# Altium PCB Power Distribution Board.PcbDoc (part 1 of 2) (continued)
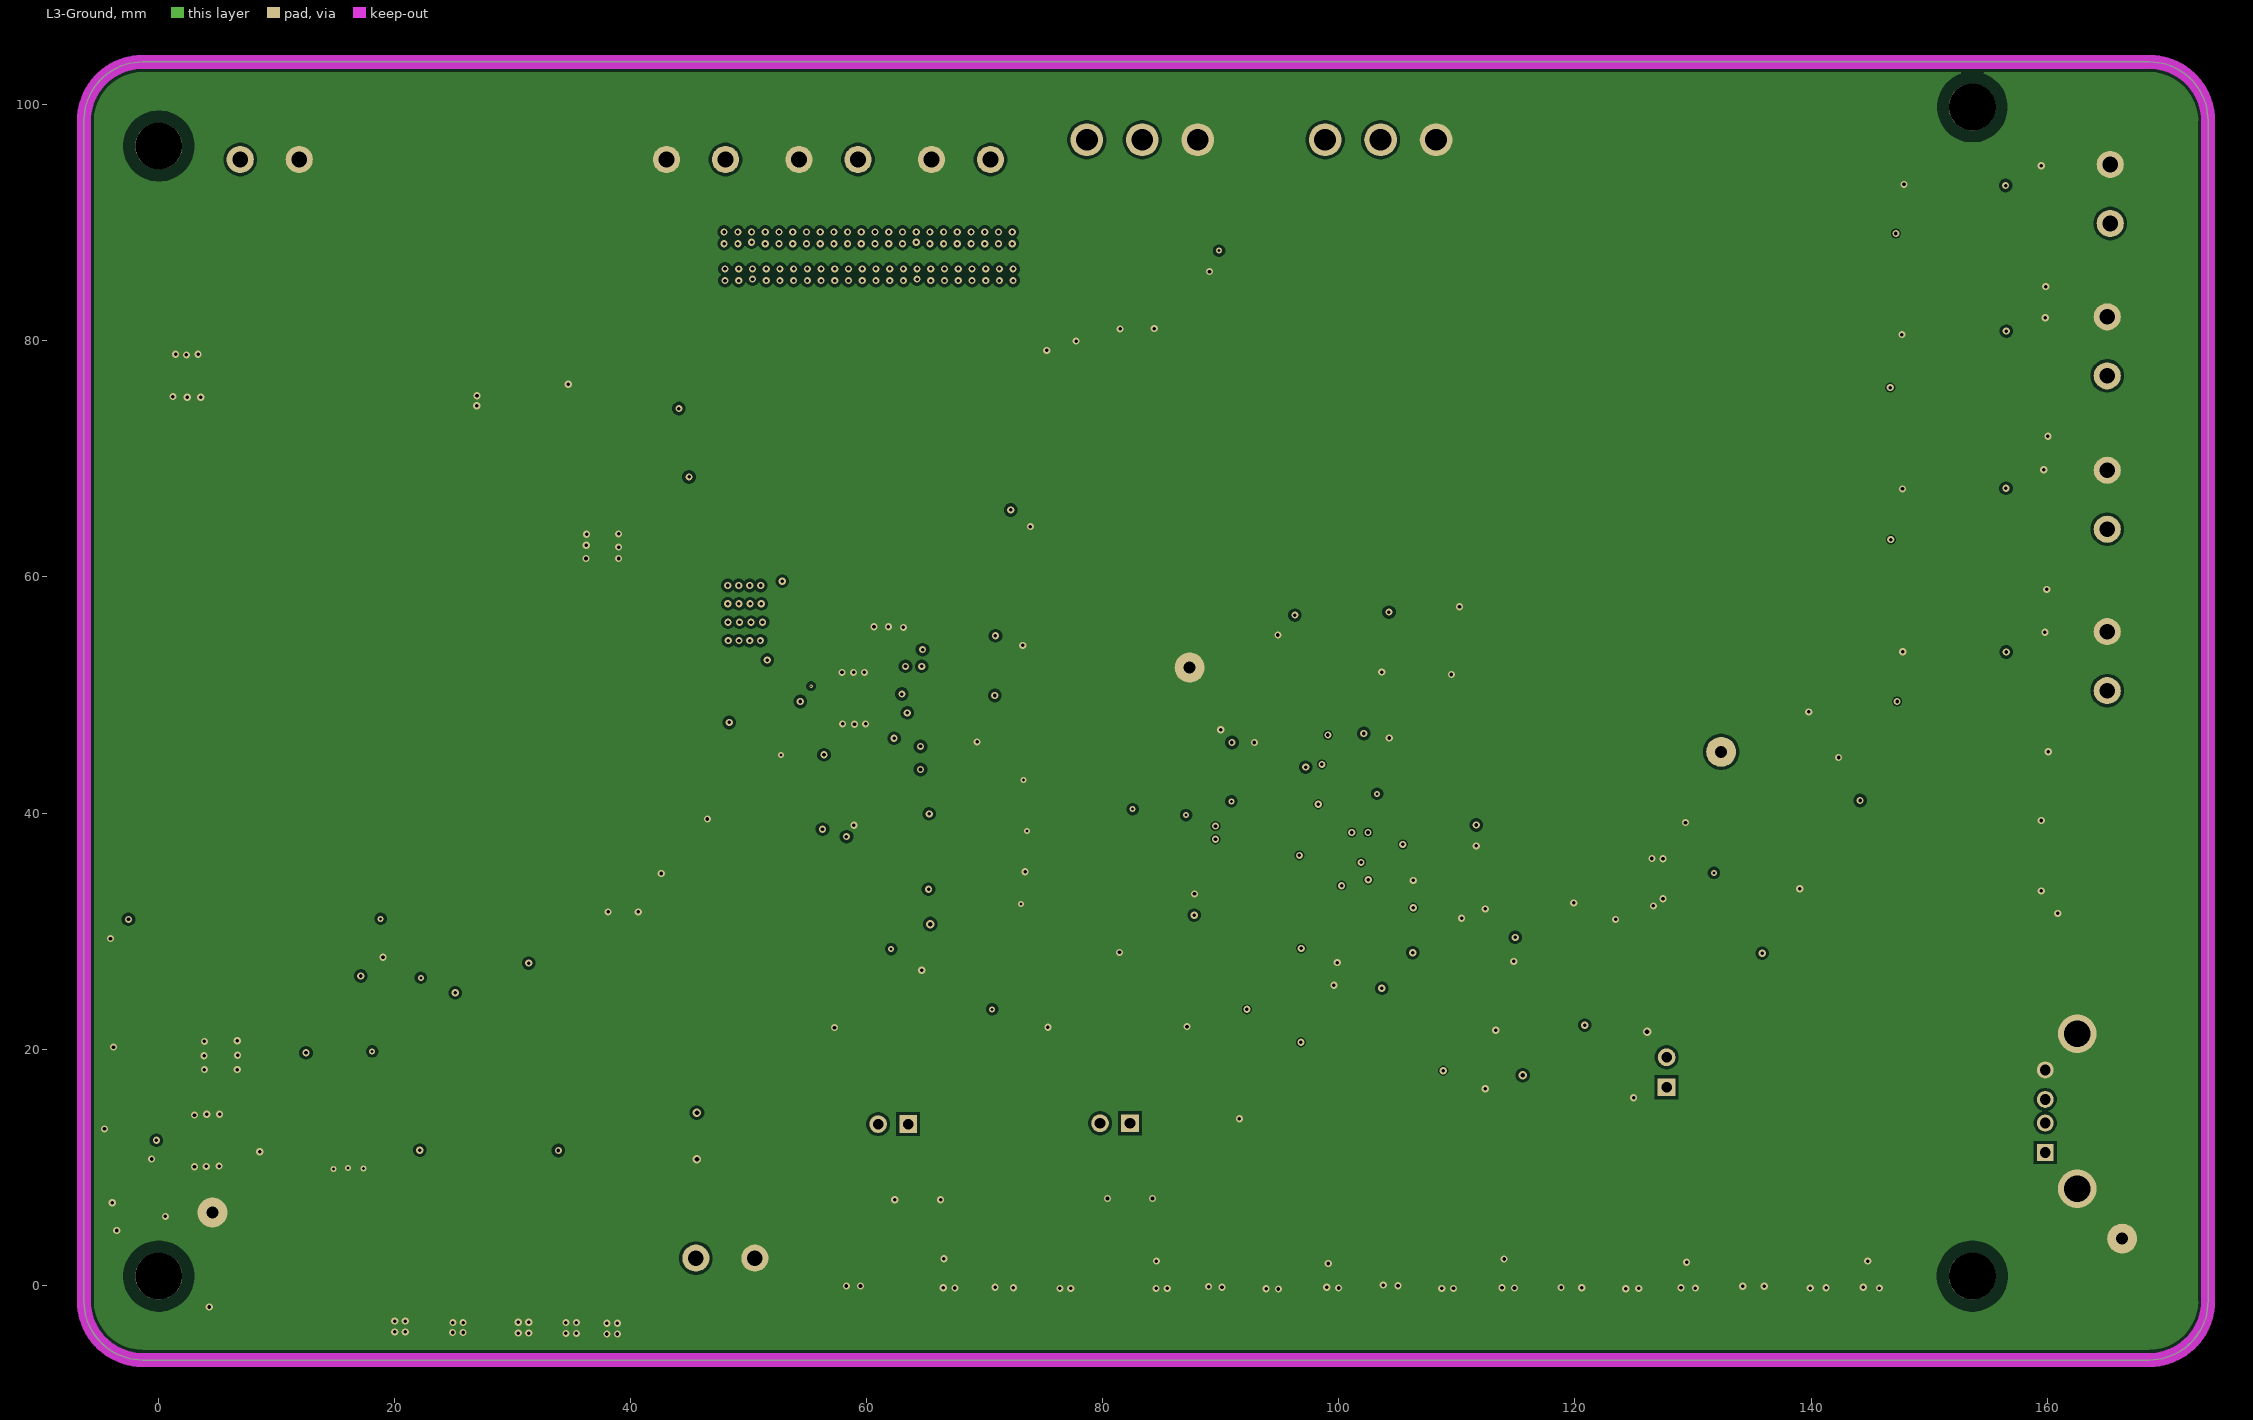
[diagram p3: L3-Ground]
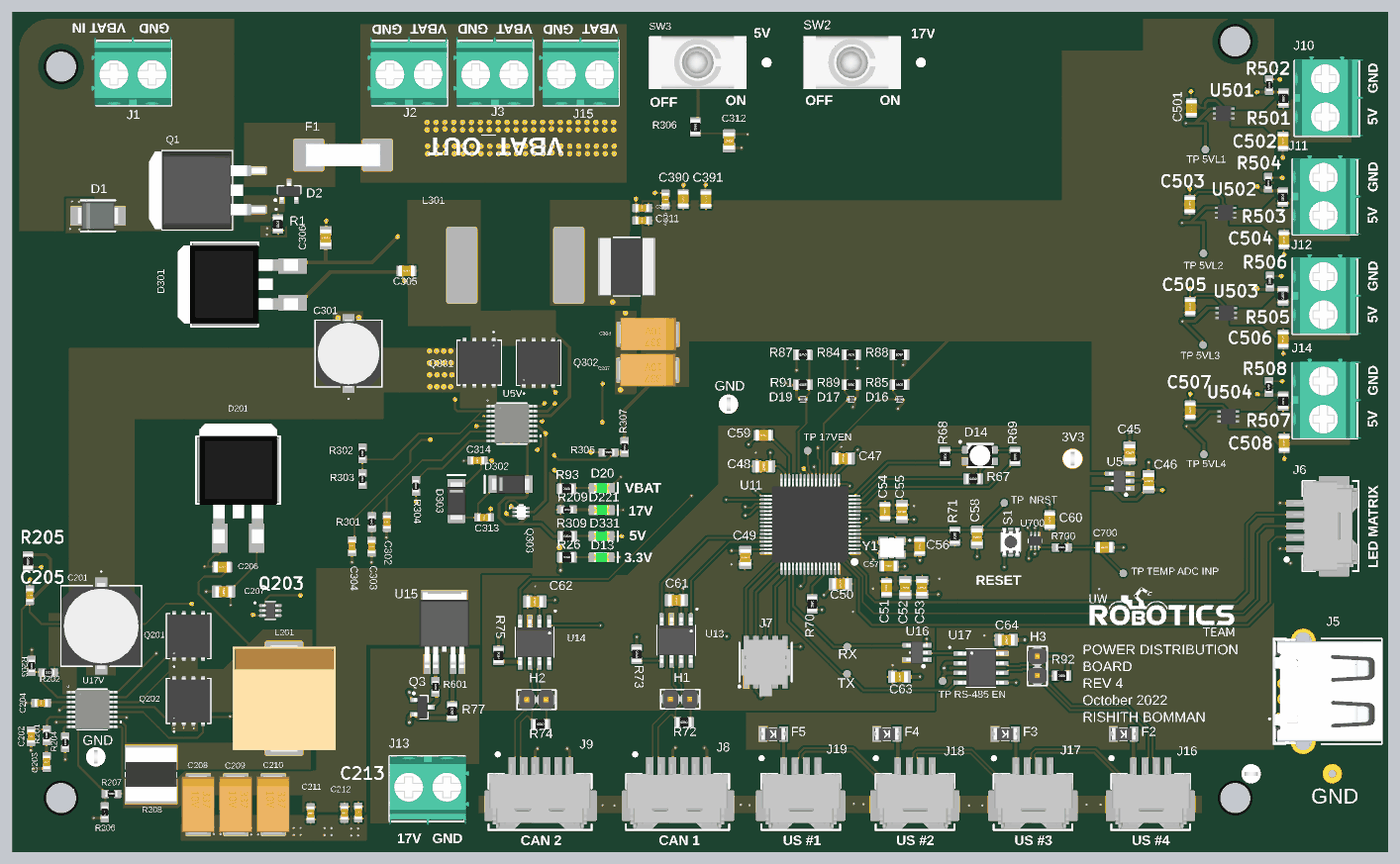
[diagram p5: 3D render of the assembled board from above, using the file's embedded part models]

## Layer stack, top to bottom
Top Solder: solder mask 0.0127, Solder Resist, Dk 3.8
Top Layer: signal copper 0.035
Dielectric 1: prepreg 0.2, 7628, Dk 4.6
L2-Ground: signal copper 0.0175
Core: core 1.065, FR-4, Dk 4.5
L3-Ground: signal copper 0.0175
Dielectric 2: prepreg 0.2, 7628, Dk 4.6
Bottom Layer: signal copper 0.035
Bottom Solder: solder mask 0.0127, Solder Resist, Dk 3.8

## Board outline
-6.348,-1.348 -6.348,98.65 cw(c-1.348,98.65) -1.348,103.65 168.65,103.65 cw(c168.65,98.65) 173.65,98.65 173.65,-1.348 cw(c168.65,-1.348) 168.65,-6.348 -1.348,-6.348 cw(c-1.348,-1.348)

## Design rules (kind name [scope] priority, off if disabled: settings)
BoardOutlineClearance [All] p1: gap=0.508 ignorepadtopadclearanceinfootprint=FALSE except(0.127: Text-OutlineEdge Text-CavityEdge Text-CutoutEdge Text-SplitBarrior Text-SplitContinuation; 0.635: Track-OutlineEdge Track-CavityEdge Track-CutoutEdge Track-SplitBarrior Track-SplitContinuation)
Clearance Clearance_mounting [(InComponent('MH1') OR InComponent('MH2') OR InComponent('MH3') OR InComponent('MH4'))] p1: gap=1.016 ignorepadtopadclearanceinfootprint=TRUE
Clearance "High Voltage Internal" [InNetClass('High_Voltage_Internal')  and OnLayer('Power')] p2: gap=0.508 ignorepadtopadclearanceinfootprint=TRUE
Clearance "High Voltage External" [InNetClass('High_Voltage')  and OnLayer('Signal')] p3: gap=0.305 ignorepadtopadclearanceinfootprint=TRUE
Clearance Clearance_1 [All] p4: gap=0.254 ignorepadtopadclearanceinfootprint=TRUE except(0: Arc-Text Track-Text; 0.127: Track-Track SMDPad-SMDPad Text-Text; 0.178: SMDPad-Region; 0.203: Arc-Arc Arc-Track Arc-SMDPad Track-SMDPad Track-Region SMDPad-THPad SMDPad-Fill SMDPad-Poly SMDPad-Text Region-Region; 0.508: THPad-THPad Via-Via)
ComponentClearance [All] p1: gap=0.254 collisioncheckmode=3 verticalgap=5.08 showdistances=FALSE
DiffPairsRouting [InDifferentialPairClass('CANBUS120')] p1: maxlimit=0.508 minlimit=0.203 mostfreqgap=0.254 toplayer_mingap=0.508 toplayer_prefgap=0.508 toplayer_minwidth=0.203 toplayer_maxwidth=0.203 toplayer_prefwidth=0.203 impedanceprofiledriven=TRUE impedanceprofileid={4CE2BA0C-8610-4AF6-9104-F98BE8B16325} impedanceprofilevalue=120.000000 maxuncoupledlength=12.7
Height [All] p1: minheight=0 maxheight=1270 prefheight=12.7
HoleSize [All] p1: absolutevalues=TRUE maxlimit=5.08 minlimit=0.254 maxpercent=80.000 minpercent=20.000
HoleToHoleClearance [All] p1: gap=0.508 allowstackedmicrovias=TRUE
MatchedLengths [InDifferentialPairClass('CANBUS120')] p1: tolerance=1.27 checknetsindiffpair=TRUE checkdiffpairvsdiffpair=FALSE checkxsignals=FALSE checkothers=FALSE
MinimumAnnularRing [All] p1: minimumring=0.127
MinimumSolderMaskSliver [All] p1: minsoldermaskwidth=0.076
PolygonConnect PolygonConnect_reliefs [(HasFootprint('CAP0805') OR HasFootprint('CAP0603') OR HasFootprint('RES0603') OR HasFootprint('RES0805') OR HasFootprint('CAP2012') OR HasFootprint('SOD-923') OR HasFootprint('SOD-128'))] p1: thpad.connectstyle=Relief thpad.reliefconductorwidth=0.254 thpad.reliefentries=4 thpad.polygonreliefangle="90 Angle" thpad.airgapwidth=0.254 smdpad.connectstyle=Relief smdpad.reliefconductorwidth=0.254 smdpad.reliefentries=4 smdpad.polygonreliefangle="90 Angle" smdpad.airgapwidth=0.254 via.connectstyle=Direct via.reliefconductorwidth=0.254 via.reliefentries=4 via.polygonreliefangle="45 Angle" via.airgapwidth=0.254
PolygonConnect PolygonConnect_Via [IsVia] p2: connectstyle=Direct reliefconductorwidth=0.254 reliefentries=4 polygonreliefangle="90 Angle" airgapwidth=0.254
PolygonConnect [All] p3: connectstyle=Direct reliefconductorwidth=0.254 reliefentries=4 polygonreliefangle="90 Angle" airgapwidth=0.254
RoutingVias [All] p1: holewidth=0.305 width=0.61 viastyle="Through Hole" minholewidth=0.152 minwidth=0.305 maxholewidth=0.61 maxwidth=1.27
SilkToSilkClearance [All] p1: silktosilkclearance=0.051
SilkToSolderMaskClearance [IsPad] p1: minsilkscreentomaskgap=0.013 clearancetoexposedcopper=TRUE
SolderMaskExpansion [All] p1: expansion=0.051 istentingtop=FALSE
Width Width_1 [All] p1: maxlimit=2.54 minlimit=0.127 preferedwidth=0.254 midlayer1_maxwidth=0.254 minimp=50.000000 maximp=50.000000 favimp=50.000000
22 further rules are at their usual default settings.

## Classes and differential pairs
differential pair class CANBUS120: CANA CANB
component class "SH9 - RS-485": C63 C64 F2 F3 F4 F5 H3 J16 J17 J18 J19 R92 RX TP13 TP14 TP21 "TP RS-485 EN" TX U16 U17
component class "SH8 - CAN": C61 C62 H1 H2 J8 J9 R72 R73 R74 R75 U13 U14
component class "SH7 - MICROCONTROLLER": C47 C48 C49 C50 C51 C52 C53 C54 C55 C56 C57 C58 C59 C60 C700 D14 J5 J6 J7 MH1 MH2 MH3 MH4 R67 R68 R69 R70 R71 R700 S1 "TP  NRST" "TP TEMP ADC INP" U11 U700 Y1
component class "SH6 - LOAD MONITORING 2": D16 D17 D19 J10 J11 J12 J13 J14 J15 Q3 R77 R84 R85 R87 R88 R89 R91 R601 "TP 17VEN" U15
component class "SH5 - LOAD MONITORING 1": C501 C502 C503 C504 C505 C506 C507 C508 EN1 R501 R502 R503 R504 R505 R506 R507 R508 "TP 5VL1" "TP 5VL2" "TP 5VL3" "TP 5VL4" U501 U502 U503 U504
component class "SH4 - 3.3V LINEAR REGULATOR": 3V3 C45 C46 D13 GND R26 TP11 TP12 U5
component class "SH3 - 5V BUCK CONVERTER": C301 C302 C303 C304 C305 C306 C307 C308 C309 C310 C311 C312 C313 C314 C390 C391 D301 D302 D303 D331 L301 Q301 Q302 Q303 R301 R302 R303 R304 R305 R306 R307 R308 R309 SW3 "TP 300" U5V
component class "SH2 - 17V BUCK CONVERTER": C201 C202 C203 C204 C205 C206 C207 C208 C209 C210 C211 C212 C213 D201 D221 L201 Q201 Q202 Q203 R201 R202 R203 R204 R205 R206 R207 R208 R209 SW2 "TP 200" U17V
component class "SH1 - POWER": D1 D2 D20 F1 J1 J2 J3 Q1 R1 R93
differential pair USB: +USB_P -USB_N
differential pair CANB: +CANB_P -CANB_N
differential pair CANA: +CANA_P -CANA_N
differential pair RS-485: +RS-485_P -RS-485_N

## Components (designator, comment, footprint, x,y, rotation, side; value= is the part's Value field where it differs from the comment)
3V3 "TESTPOINT_LOOP" TESTPOINT_LOOP#1 132.385,45.187 r90 top (schematic designator TP11)
C45 "CAP_1uF_50V_0805" CAP2012 139.827,45.943 r270 top value=1μF
C46 "CAP_1uF_50V_0805" CAP2012 142.316,42.195 r270 top value=1μF
C47 "CAP_0.1uF_50V_0805" CAP2012 102.362,45.212 r180 top value=0.1μF
C48 "CAP_0.1uF_50V_0805" CAP2012 91.948,44.196 r180 top value=0.1μF
C49 "CAP_0.1uF_50V_0805" CAP2012 89.535,32.258 r270 top value=0.1μF
C50 "CAP_0.1uF_50V_0805" CAP2012 102.012,28.778 r0 top value=0.1μF
C51 "CAP_4.7uF_16V_0805" CAP0805 108.026,28.309 r90 top value=4.7μF
C52 "CAP_0.1uF_50V_0805" CAP2012 110.49,28.321 r90 top value=0.1μF
C53 "CAP_0.1uF_50V_0805" CAP2012 112.674,28.34 r90 top value=0.1μF
C54 "CAP_0.01uF_100V_0805" CAP0805 107.823,38.291 r90 top value=0.01μF
C55 "CAP_1uF_50V_0805" CAP2012 110.058,38.272 r90 top value=1μF
C56 "CAP_14pF_50V_0805" CAP0805 112.37,33.694 r270 top value=14pF
C57 "CAP_14pF_50V_0805" CAP0805 108.343,31.14 r0 top value=14pF
C58 "CAP_1uF_50V_0805" CAP2012 119.888,34.925 r90 top value=1μF
C59 "CAP_4.7uF_16V_0805" CAP0805 91.948,48.26 r0 top value=4.7μF
C60 "CAP_0.01uF_100V_0805" CAP0805 129.388,37.147 r270 top value=0.01μF
C61 "CAP_0.1uF_50V_0805" CAP2012 80.518,26.67 r180 top value=0.1μF
C62 "CAP_0.1uF_50V_0805" CAP2012 61.989,26.486 r180 top value=0.1μF
C63 "CAP_0.1uF_50V_0805" CAP2012 109.728,16.637 r180 top value=0.1μF
C64 "CAP_0.1uF_50V_0805" CAP2012 123.698,21.463 r180 top value=0.1μF
C201 "CAP_47uF_100V_ALUM_1" CAP_UCD_10X10_NCH-M 5.258,23.279 r270 top value=47µF
C202 "CAP_100pF_100V_0603" CAP0603 -3.937,8.852 r270 top value=100pF
C203 "CAP_2200pF_100V_0603" CAP0603 -1.891,5.448 r270 top value=2200pF
C204 "CAP_8200pF_100V_0603" CAP0603 -2.604,13.208 r180 top value=8200pF
C205 "CAP_0.1uF_16V_0603" CAP0603 -4.089,27.318 r90 top value=0.1μF
C206 "CAP_0.1uF_100V_0805" CAP0805 21.094,30.988 r0 top value=0.1µF
C207 "CAP_1uF_100V_0805" CAP2012 21.279,27.788 r180 top value=1μF
C208 "CAP_22uF_25V_TANT" CAP2917 17.958,-0.098 r270 top value=22μF
C209 "CAP_22uF_25V_TANT" CAP2917 22.866,-0.098 r270 top value=22μF
C210 "CAP_22uF_25V_TANT" CAP2917 27.775,-0.098 r270 top value=22μF
C211 "CAP_4.7uF_16V_0603" CAP0603 32.664,-1.232 r90 top value=4.7μF
C212 "CAP_2.2uF_25V_0603" CAP0603 37.084,-1.181 r90 top value=2.2μF
C213 "CAP_0.1uF_16V_0603" CAP0603 38.913,-1.13 r270 top value=0.1μF
C301 "CAP_33uF_100V_ALUM" CAP_J-V_8X10P5_RUB-M 37.617,58.953 r90 top value=33µF
C302 "CAP_100pF_100V_0603" CAP0603 42.647,36.894 r270 top value=100pF
C303 "CAP_5600pF_100V_0603" CAP0603 40.64,33.668 r270 top value=5600pF
C304 "CAP_8200pF_100V_0603" CAP0603 38.075,33.719 r270 top value=8200pF
C305 "CAP_0.1uF_100V_0805" CAP0805 45.199,69.774 r0 top value=0.1µF
C306 "CAP_2.2uF_100V_0805" CAP2012 34.646,74.111 r90 top value=2.2μF
C307 "CAP_150uF_16V_TANT_1" CAP2917 76.787,56.769 r180 top value=150μF
C308 "CAP_150uF_16V_TANT_1" CAP2917 76.825,61.481 r180 top value=150μF
C309 "CAP_4.7uF_16V_0603" CAP0603 79.096,79.108 r270 top value=4.7μF
C310 "CAP_2.2uF_25V_0603" CAP0603 76.06,78.003 r0 top value=2.2μF
C311 "CAP_0.1uF_16V_0603" CAP0603 76.06,76.378 r180 top value=0.1μF
C312 "CAP_0.1uF_50V_0805" CAP2012 87.427,86.798 r90 top value=0.1μF
C313 "CAP_1uF_25V_0603" CAP0603 55.359,37.49 r0 top value=1μF
C314 "CAP_1uF_25V_0603" CAP0603 54.496,44.958 r180 top value=1μF
C390 "CAP_NU_0805" CAP0805 81.432,79.185 r90 top value=NU
C391 "CAP_NU_0805" CAP0805 84.404,79.16 r90 top value=NU
C501 "CAP_1uF_16V_0805" CAP0805 147.93,91.098 r270 top value=1μF
C502 "CAP_1uF_16V_0805" CAP0805 159.918,86.729 r90 top value=1μF
C503 "CAP_1uF_16V_0805" CAP0805 147.723,78.444 r270 top value=1μF
C504 "CAP_1uF_16V_0805" CAP0805 160.045,73.851 r90 top value=1μF
C505 "CAP_1uF_16V_0805" CAP0805 147.773,65.11 r270 top value=1μF
C506 "CAP_1uF_16V_0805" CAP0805 159.944,60.821 r90 top value=1μF
C507 "CAP_1uF_16V_0805" CAP0805 147.773,51.522 r270 top value=1μF
C508 "CAP_1uF_16V_0805" CAP0805 160.071,47.206 r90 top value=1μF
C700 "CAP_0.01uF_100V_0805" CAP0805 136.563,33.579 r180 top value=0.01μF
D1 "TVS_DIODE_BIDIR_51V" TVS_DIODE_BIDIR_SMB 4.84,76.987 r0 top
D2 "DIO_ZENER_51V" SOT23-3 29.845,80.181 r90 top
D13 "DIO_LED_G" LED_0805_GREEN 70.728,32.283 r0 top
D14 "LED_RGB" LED_RGB 120.269,45.593 r270 top
D16 "TVS_DIODE_UNIDIR_3.3V_7A" SOD-923 109.728,52.959 r0 top
D17 "TVS_DIODE_UNIDIR_3.3V_7A" SOD-923 103.409,52.959 r0 top
D19 "TVS_DIODE_UNIDIR_3.3V_7A" SOD-923 97.091,52.959 r180 top
D20 "LED_GREEN" LED_0805_GREEN 70.748,41.351 r0 top
D201 "DIO_SCHOTTKY_100V_5.5A" "D2PAK (TO-263AB)" 23.19,43.688 r0 top
D221 "LED_GREEN" LED_0805_GREEN 70.748,38.456 r0 top
D301 "DIO_SCHOTTKY_100V_5.5A" "D2PAK (TO-263AB)" 21.387,67.996 r90 top
D302 "DIO_SCHOTTKY_30V_2A" SOD-128 58.842,41.834 r180 top
D303 "DIO_SCHOTTKY_30V_2A" SOD-128 51.74,39.659 r90 top
D331 "LED_GREEN" LED_0805_GREEN 70.73,35.052 r0 top
F1 "FUSE_30A_3912" FUSE_3912 36.91,84.938 r0 top
F2 "FUSE_250mA_1206" FUSE_1206 139.065,9.144 r180 top
F3 "FUSE_250mA_1206" FUSE_1206 123.571,9.144 r180 top
F4 "FUSE_250mA_1206" FUSE_1206 108.077,9.144 r180 top
F5 "FUSE_250mA_1206" FUSE_1206 93.218,9.144 r180 top
GND "TESTPOINT_LOOP" TESTPOINT_LOOP#2 155.75,3.937 r180 top (schematic designator TP12)
H1 "JUMPER_2" HDR1X2 82.296,13.716 r180 top
H2 "JUMPER_2" HDR1X2 63.494,13.642 r180 top
H3 "JUMPER_2" HDR1X2 127.762,16.764 r90 top
J1 "CON_2M_TERM" 1935161 9.398,95.377 r180 top
J2 "CON_2M_TERM" 1935161 45.517,95.377 r180 top
J3 "CON_2M_TERM" 1935161 56.744,95.377 r180 top
J5 "USB-A 2.0 Connector" "USB-A 2.0 Connector - 3d ver" 162.56,14.732 r90 top
J6 "CON_5M_SM_RA" MOLEX-5025850570 161.798,33.37 r270 top
J7 "CON_PROGRAMMING" FTSH-105-01-F-DV-K-P-TR 92.202,18.542 r0 top
J8 "CON_6M_SM_RA_1.5mm" MOLEX-5025850670 77.034,4.572 r180 top
J9 "CON_6M_SM_RA_1.5mm" MOLEX-5025850670 59.048,4.572 r180 top
J10 "CON_2M_TERM" 1935161 165.354,92.456 r90 top
J11 "CON_2M_TERM" 1935161 165.1,79.542 r90 top
J12 "CON_2M_TERM" 1935161 165.1,66.548 r90 top
J13 "CON_2M_TERM" 1935161 48.006,2.286 r0 top
J14 "CON_2M_TERM" 1935161 165.1,52.872 r90 top
J15 "CON_2M_TERM" 1935161 67.97,95.377 r180 top
J16 "CON_4M_SM_RA" MOLEX-5025850470 140.343,4.566 r180 top
J17 "CON_4M_SM_RA" MOLEX-5025850470 124.955,4.566 r180 top
J18 "CON_4M_SM_RA" MOLEX-5025850470 109.498,4.572 r180 top
J19 "CON_4M_SM_RA" MOLEX-5025850470 94.56,4.572 r180 top
L201 "IND_22uH_9A" IND_BOURNS_SRP1265 29.185,13.806 r270 top
L301 "IND_10uH_16.5A" IND_MWLA1707S 59.446,70.51 r0 top
MH1 "MOUNTING_HOLE_5/32" MOUNTING_HOLE_5/38#1 3.048,98.806 r0 top
MH2 "MOUNTING_HOLE_5/32" MOUNTING_HOLE_5/38#2 120.396,99.314 r0 top
MH3 "MOUNTING_HOLE_5/32" MOUNTING_HOLE_5/38#3 1.524,0.762 r0 top
MH4 "MOUNTING_HOLE_5/32" MOUNTING_HOLE_5/38#4 122.428,0.508 r0 top
Q1 "PMOS_100V_38A" "DPAK254P1524X483-4_3N - new" 19.152,80.34 r180 top
Q3 "NMOS_20V_6A" SOT23-3 47.302,12.664 r0 top
Q201 "AONS66923" DFN5X6_8L_EP1_P_AOS-L 16.688,21.971 r90 top
Q202 "AONS66923" DFN5X6_8L_EP1_P_AOS-L 16.688,13.462 r90 top
Q203 "NMOS_30V_0.25A" SOT363 27.388,25.309 r0 top
Q301 "AONS66923" DFN5X6_8L_EP1_P_AOS-L 54.712,57.76 r270 top
Q302 "AONS66923" DFN5X6_8L_EP1_P_AOS-L 62.484,57.734 r90 top
Q303 "DUAL_MOSFET_20V_650mA_P&N" ES6-M 60.223,38.202 r0 top
R1 "RES_1kΩ_0805_1%" RES0805 28.397,75.907 r90 top value=1kΩ
R26 "RES_220Ω_0805_5%" RES0805 66.194,32.283 r180 top value=220Ω
R67 "RES_20Ω_0805_1%" RES0805 119.38,42.545 r180 top value=20Ω
R68 "RES_120Ω_0805_1%" RES0805 115.697,45.466 r90 top value=120Ω
R69 "RES_20Ω_0805_1%" RES0805 124.841,45.466 r270 top value=20Ω
R70 "RES_10kΩ_0805_5%" RES0805 98.298,26.162 r270 top value=10kΩ
R71 "RES_10kΩ_0805_5%" RES0805 116.967,35.052 r270 top value=10kΩ
R72 "RES_120Ω_0805_1%" RES0805 81.534,10.668 r180 top value=120Ω
R73 "RES_0Ω_0805" RES0805 75.336,19.583 r90 top value=0Ω
R74 "RES_120Ω_0805_1%" RES0805 62.738,10.414 r180 top value=120Ω
R75 "RES_0Ω_0805" RES0805 57.252,19.419 r90 top value=0Ω
R77 "RES_1kΩ_0805_1%" RES0805 51.181,12.153 r90 top value=1kΩ
R84 "RES_5.6kΩ_0805" RES0805 103.409,58.801 r0 top value=5.6kΩ
R85 "RES_2.2kΩ_0805" RES0805 109.728,54.864 r0 top value=2.2kΩ
R87 "RES_15kΩ_0805_1%" RES0805 97.091,58.801 r180 top value=15kΩ
R88 "RES_3.3kΩ_0805_1%" RES0805 109.728,58.801 r180 top value=3.3kΩ
R89 "RES_1.2kΩ_0805" RES0805 103.409,54.864 r180 top value=1.2kΩ
R91 "RES_1kΩ_0805_1%_1" RES0805 97.091,54.864 r0 top value=1kΩ
R92 "RES_120Ω_0805_1%" RES0805 130.937,16.764 r180 top value=120Ω
R93 "RES_10kΩ_0805_5%" RES0805 66.154,41.25 r180 top value=10kΩ
R201 "RES_20kΩ_0603_1%" RES0603 -1.891,9.753 r270 top value=20kΩ
R202 "RES_169kΩ_0603_1%" RES0603 -0.889,17.196 r180 top value=169kΩ
R203 "RES_10kΩ_0603_5%" RES0603 -3.861,17.272 r90 top value=10kΩ
R204 "RES_33kΩ_0603_5%" RES0603 0.559,8.839 r270 top value=33kΩ
R205 "RES_1kΩ_0805_1%_1" RES0805 -4.343,31.763 r90 top value=1kΩ
R206 "RES_10kΩ_0603_5%" RES0603 5.715,-0.305 r270 top value=10kΩ
R207 "RES_127kΩ_0603_1%" RES0603 7.391,1.321 r180 top value=127kΩ
R208 "RES_10mΩ_2728_1%" STAC-CSS2725-099H_V 11.786,3.85 r270 top value=10mΩ
R209 "RES_3kΩ_0603_1%" RES0603 65.405,38.532 r0 top value=3kΩ
R301 "RES_10kΩ_0603_5%" RES0603 40.665,37.693 r270 top value=10kΩ
R302 "RES_169kΩ_0603_1%" RES0603 39.446,46.685 r270 top value=169kΩ
R303 "RES_10kΩ_0603_5%" RES0603 39.446,43.307 r270 top value=10kΩ
R304 "RES_33kΩ_0603_5%" RES0603 46.431,42.393 r270 top value=33kΩ
R305 "RES_10kΩ_0603_5%" RES0603 72.441,45.999 r180 top value=10kΩ
R306 "RES_1kΩ_0805_1%_1" RES0805 83.007,88.607 r270 top value=1kΩ
R307 "RES_30.9kΩ_0603_0.5%" RES0603 73.736,47.523 r270 top value=30.9kΩ
R308 "RES_5mΩ_2728_1%" STA_CSSH2728_STP-M 74.028,70.333 r0 top value=5mΩ
R309 "RES_787Ω_0805_1%" RES0805 66.256,35.027 r0 top value=787Ω
R501 "RES_10kΩ_0805_5%" RES0805 159.969,92.392 r90 top value=10kΩ
R502 "RES_20kΩ_0603_1%" RES0603 158.115,94.92 r270 top value=20kΩ
R503 "RES_10kΩ_0805_5%" RES0805 159.893,79.414 r90 top value=10kΩ
R504 "RES_20kΩ_0603_1%" RES0603 157.988,82.118 r270 top value=20kΩ
R505 "RES_10kΩ_0805_5%" RES0805 159.918,66.51 r90 top value=10kΩ
R506 "RES_20kΩ_0603_1%" RES0603 158.191,69.189 r270 top value=20kΩ
R507 "RES_10kΩ_0805_5%" RES0805 159.944,52.718 r90 top value=10kΩ
R508 "RES_20kΩ_0603_1%" RES0603 158.064,55.372 r270 top value=20kΩ
R601 "RES_1kΩ_0603_5%" RES0603 48.997,14.503 r90 top value=1kΩ
R700 "RES_220Ω_0603_5%" RES0603 130.175,33.553 r0 top value=220Ω
RX "TESTPOINT_1MM_CIRCLE" TESTPOINT_CIRCLE_1MM 102.87,20.574 r0 top (schematic designator TP13)
S1 "SW_PUSHBUTTON" TACTILE_SWITCH_SMD 124.294,34.288 r90 top
SW2 "SW_SPDT" 100SP1T1B4M2QE 103.53,97.053 r180 top
SW3 "SW_SPDT3" 100SP1T1B4M2QE 83.337,97.053 r180 top
"TP 5VL1" "TESTPOINT_1MM_CIRCLE" TESTPOINT_CIRCLE_1MM 149.758,85.649 r90 top
"TP 5VL2" "TESTPOINT_1MM_CIRCLE" TESTPOINT_CIRCLE_1MM 149.504,72.06 r90 top
"TP 5VL3" "TESTPOINT_1MM_CIRCLE" TESTPOINT_CIRCLE_1MM 149.454,60.071 r90 top
"TP 5VL4" "TESTPOINT_1MM_CIRCLE" TESTPOINT_CIRCLE_1MM 149.571,45.745 r90 top
"TP 17VEN" "TESTPOINT_1MM_CIRCLE" TESTPOINT_CIRCLE_1MM 97.714,46.228 r90 top
"TP 200" "TESTPOINT_LOOP" TESTPOINT_LOOP#1 4.547,6.147 r90 top
"TP 300" "TESTPOINT_LOOP" TESTPOINT_LOOP#1 87.351,52.324 r90 top
"TP  NRST" "TESTPOINT_1MM_CIRCLE" TESTPOINT_CIRCLE_1MM 123.444,39.395 r90 top
"TP RS-485 EN" "TESTPOINT_1MM_CIRCLE" TESTPOINT_CIRCLE_1MM 115.367,16.053 r90 top
"TP TEMP ADC INP" "TESTPOINT_1MM_CIRCLE" TESTPOINT_CIRCLE_1MM 139.014,30.175 r90 top
TX "TESTPOINT_1MM_CIRCLE" TESTPOINT_CIRCLE_1MM 102.87,17.018 r180 top (schematic designator TP14)
U5 "LDO_3.3V_500mA" SOT23-5 138.523,42.266 r180 top
U5V "BUCK_LT3845A" LT3845AIFE#PBF 59.004,49.784 r0 top
U11 "STM32F446RET6" STM-LQFP64_L 98.044,36.576 r180 top
U13 "IC_CAN_TRANSCEIVER" SOIC127P600X175-8N 80.518,21.411 r270 top
U14 "IC_CAN_TRANSCEIVER" SOIC127P600X175-8N 61.976,21.157 r270 top
U15 "BTS5014SDAAUMA1" D2PAK-4 50.165,22.479 r0 top
U16 "IC_BUFFER" SOT23-5 112.014,19.812 r180 top
U17 "MAX485CSA" SOIC127P600X175-8N 120.396,17.78 r0 top
U17V "BUCK_LT3845A" LT3845AIFE#PBF 4.089,12.344 r0 top
U501 "IC_PWR_SWTICH_5V" CP_6_3_ADI-M 152.159,90.373 r180 top
U502 "IC_PWR_SWTICH_5V" CP_6_3_ADI-M 152.4,77.394 r180 top
U503 "IC_PWR_SWTICH_5V" CP_6_3_ADI-M 152.502,64.262 r180 top
U504 "IC_PWR_SWTICH_5V" CP_6_3_ADI-M 152.743,50.709 r180 top
U700 "IC_TEMP_SENSOR_Replaced" DRL6-M 127.457,34.417 r90 top
Y1 "CRYSTAL_25MHZ_20PF" XTAL_ECS-250-20-33-CKM-TR 108.712,33.528 r180 top
